# KiCad board motherboard.kicad_pcb (continued)
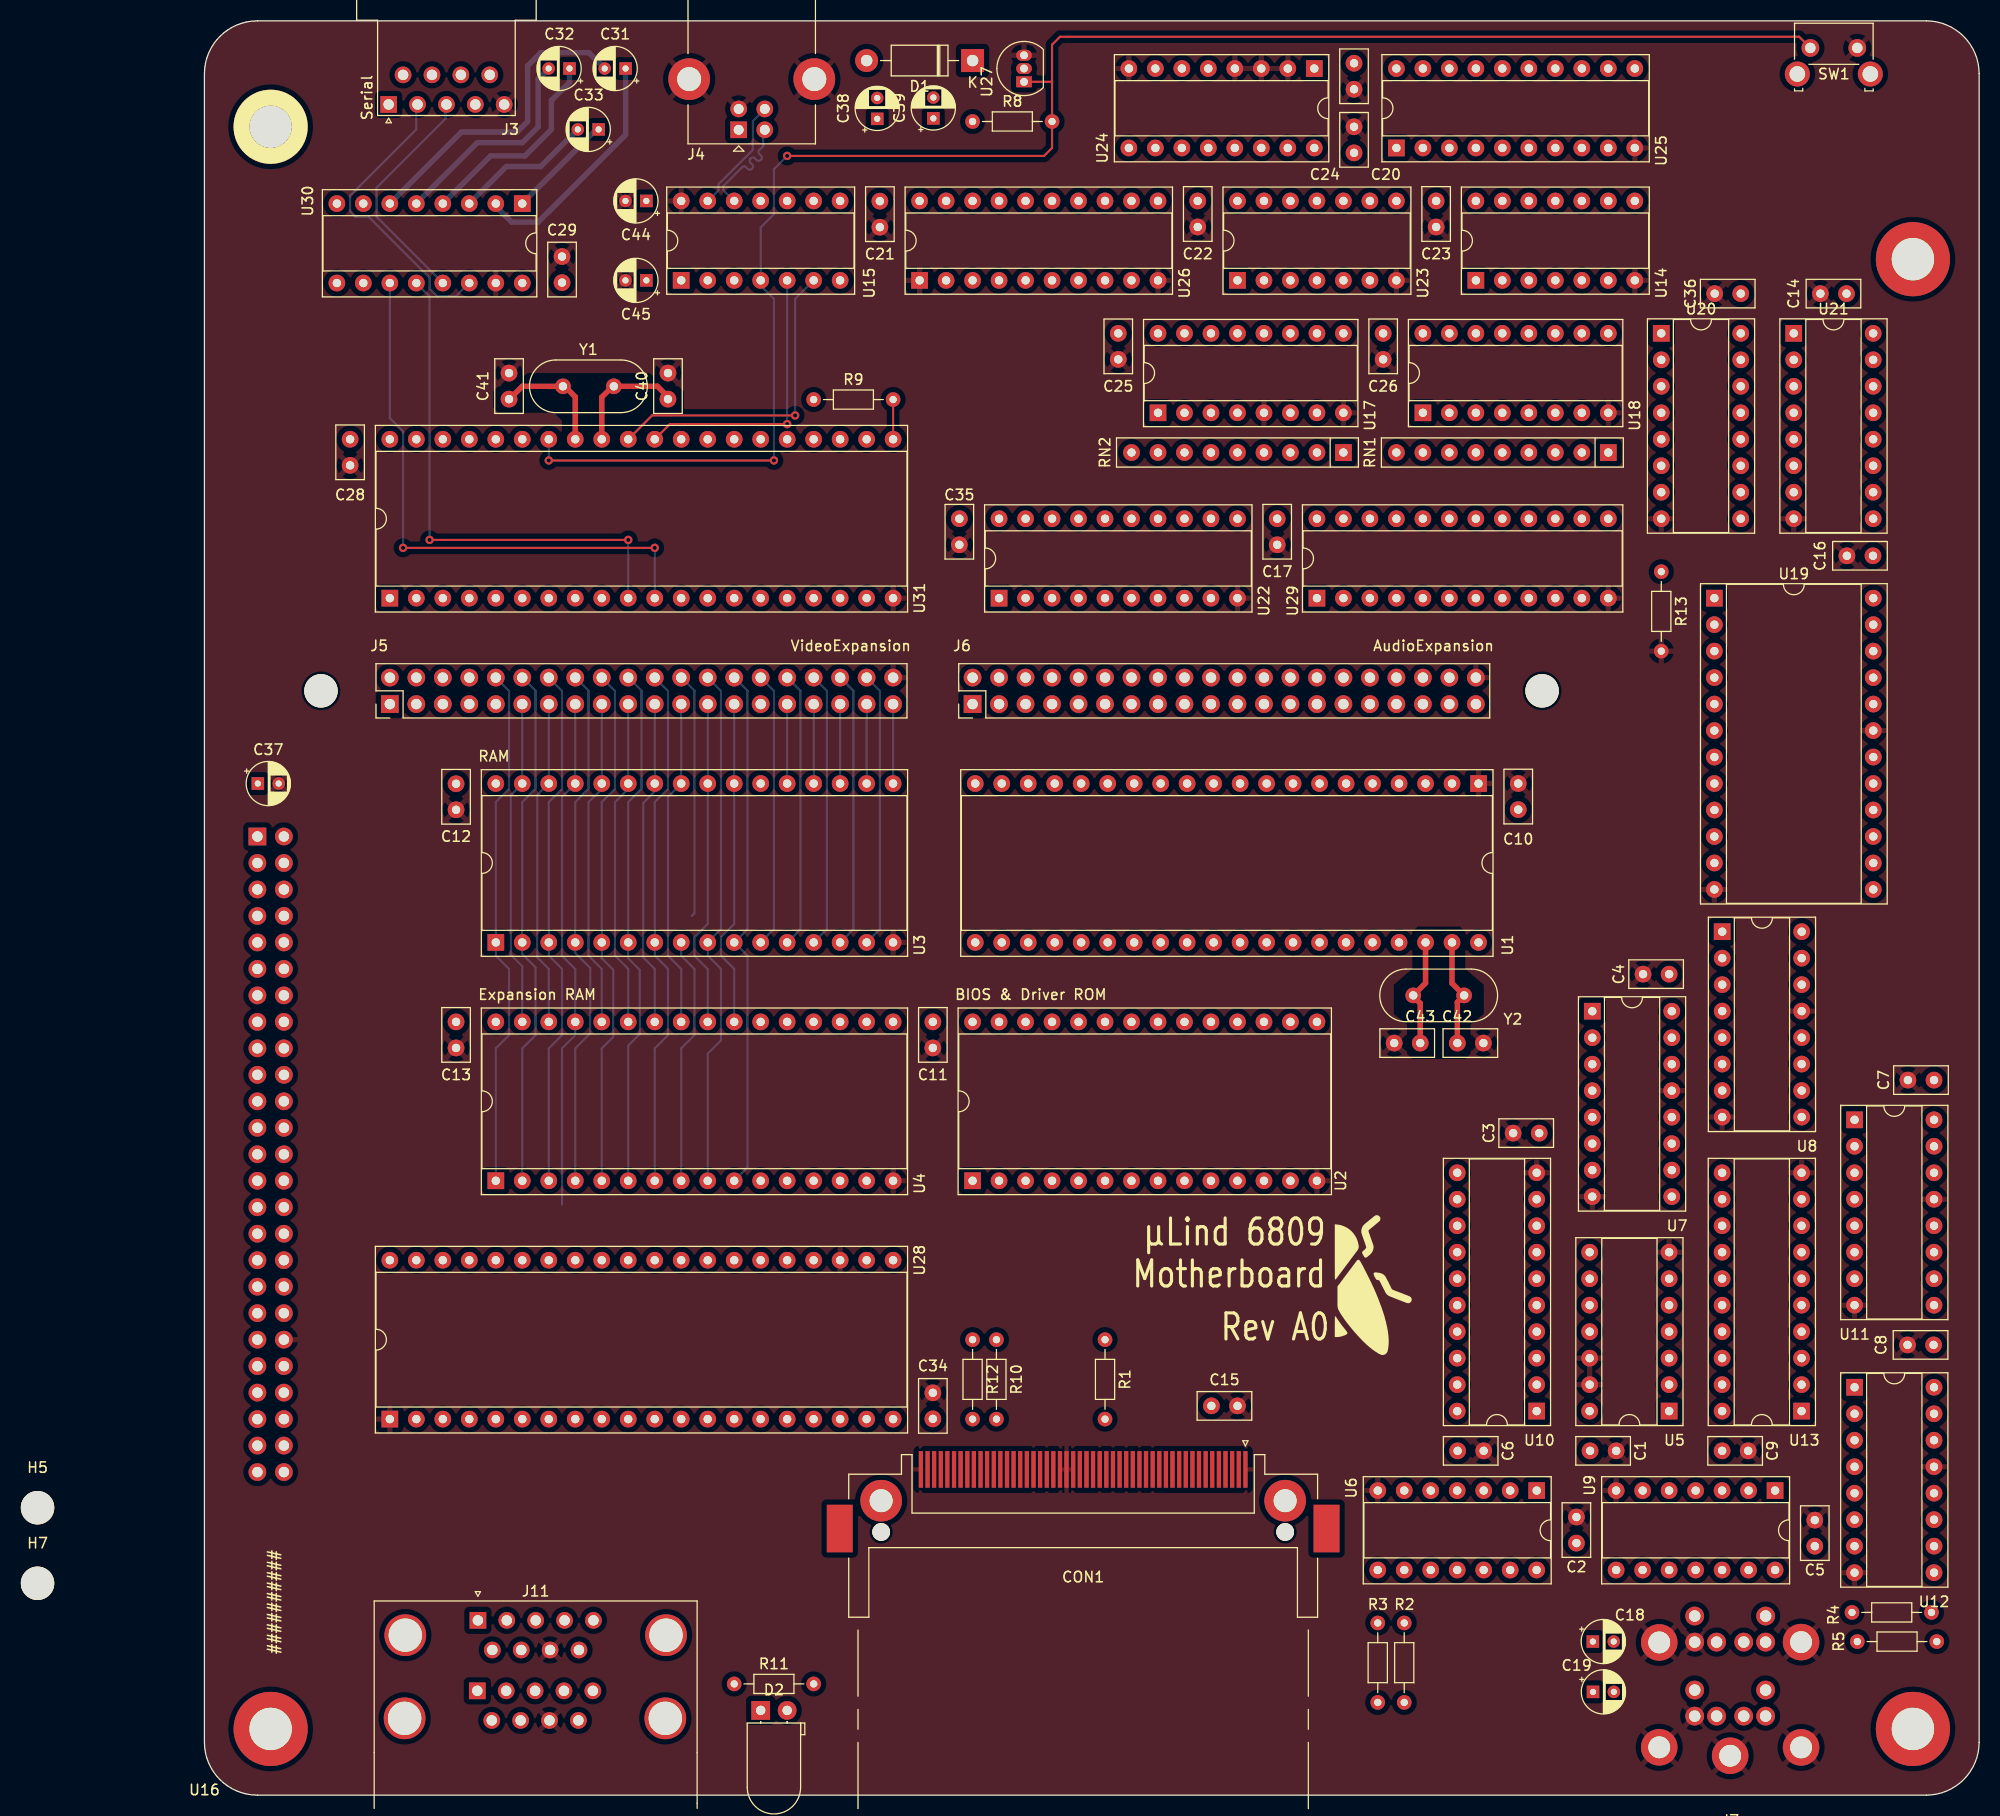
[diagram p0: board, top side]
## Footprints (pads in the part's own frame, mm; a bottom-side part is the same pattern mirrored in y, then rotated)
2xPS2-Mini-Din
  round 1.8 hole 1.1: 1(-1.3,15.6) 2(1.3,15.6) 3(-3.4,15.6) 4(3.4,15.6) 5(-3.4,18.1) 6(3.4,18.1) 7(-1.3,8.5) 8(1.3,8.5) 9(-3.4,8.5) 10(3.4,8.5) 11(-3.4,11) 12(3.4,11)
  round 3.5 hole 2.1: G(-6.8,15.57) G(-6.8,5.51) G(0,4.7) G(6.8,15.6) G(6.8,5.5)
C_Disc_D5.0mm_W2.5mm_P2.50mm
  round 1.6 hole 0.8: 1(0,0) 2(2.5,0)
CF-Card_3M_N7E50-7516PK-20-WF
  round 3.99 hole 2.21: (-0.1,19.37) (-0.1,-19.37)
  rect 4.57x2.49 smd: (2.57,23.34) (2.57,-23.34)
  round 1.7 hole 1.7 unplated: (2.9,19.37) (2.9,-19.37)
  rect 3.51x0.41 smd: 1(-3.1,15.56) 2(-3.1,14.29) 3(-3.1,13.02) 4(-3.1,11.75) 5(-3.1,10.48) 6(-3.1,9.21) 7(-3.1,7.94) 8(-3.1,6.67) 9(-3.1,5.4) 10(-3.1,4.13) 11(-3.1,2.86) 12(-3.1,1.59) 13(-3.1,0.32) 14(-3.1,-0.95) 15(-3.1,-2.22) 16(-3.1,-3.49) 17(-3.1,-4.76) 18(-3.1,-6.03) 19(-3.1,-7.3) 20(-3.1,-8.57) 21(-3.1,-9.84) 22(-3.1,-11.11) 23(-3.1,-12.38) 24(-3.1,-13.65) 25(-3.1,-14.92) 26(-3.1,14.92) 27(-3.1,13.65) 28(-3.1,12.38) 29(-3.1,11.11) 30(-3.1,9.84) 31(-3.1,8.57) 32(-3.1,7.3) 33(-3.1,6.03) 34(-3.1,4.76) 35(-3.1,3.49) 36(-3.1,2.22) 37(-3.1,0.95) 38(-3.1,-0.32) 39(-3.1,-1.59) 40(-3.1,-2.86) 41(-3.1,-4.13) 42(-3.1,-5.4) 43(-3.1,-6.67) 44(-3.1,-7.94) 45(-3.1,-9.21) 46(-3.1,-10.48) 47(-3.1,-11.75) 48(-3.1,-13.02) 49(-3.1,-14.29) 50(-3.1,-15.56)
CP_Radial_D4.0mm_P2.00mm
  rect 1.2x1.2 hole 0.6: 1(0,0)
  round 1.2 hole 0.6: 2(2,0)
Crystal_HC49-U_Vertical
  round 1.5 hole 0.8: 1(0,0) 2(4.88,0)
D_DO-41_SOD81_P10.16mm_Horizontal
  rect 2.2x2.2 hole 1.1: 1(0,0)
  oval 2.2x2.2 hole 1.1: 2(10.16,0)
DIP-14_W7.62mm_Socket
  rect 1.6x1.6 hole 0.8: 1(0,0)
  oval 1.6x1.6 hole 0.8: 2(0,-2.54) 3(0,-5.08) 4(0,-7.62) 5(0,-10.16) 6(0,-12.7) 7(0,-15.24) 8(7.62,-15.24) 9(7.62,-12.7) 10(7.62,-10.16) 11(7.62,-7.62) 12(7.62,-5.08) 13(7.62,-2.54) 14(7.62,0)
DIP-16_W7.62mm_Socket
  rect 1.6x1.6 hole 0.8: 1(0,0)
  oval 1.6x1.6 hole 0.8: 2(0,-2.54) 3(0,-5.08) 4(0,-7.62) 5(0,-10.16) 6(0,-12.7) 7(0,-15.24) 8(0,-17.78) 9(7.62,-17.78) 10(7.62,-15.24) 11(7.62,-12.7) 12(7.62,-10.16) 13(7.62,-7.62) 14(7.62,-5.08) 15(7.62,-2.54) 16(7.62,0)
DIP-20_W7.62mm_Socket
  rect 1.6x1.6 hole 0.8: 1(0,0)
  oval 1.6x1.6 hole 0.8: 2(0,-2.54) 3(0,-5.08) 4(0,-7.62) 5(0,-10.16) 6(0,-12.7) 7(0,-15.24) 8(0,-17.78) 9(0,-20.32) 10(0,-22.86) 11(7.62,-22.86) 12(7.62,-20.32) 13(7.62,-17.78) 14(7.62,-15.24) 15(7.62,-12.7) 16(7.62,-10.16) 17(7.62,-7.62) 18(7.62,-5.08) 19(7.62,-2.54) 20(7.62,0)
DIP-24_W7.62mm_Socket
  rect 1.6x1.6 hole 0.8: 1(0,0)
  oval 1.6x1.6 hole 0.8: 2(0,-2.54) 3(0,-5.08) 4(0,-7.62) 5(0,-10.16) 6(0,-12.7) 7(0,-15.24) 8(0,-17.78) 9(0,-20.32) 10(0,-22.86) 11(0,-25.4) 12(0,-27.94) 13(7.62,-27.94) 14(7.62,-25.4) 15(7.62,-22.86) 16(7.62,-20.32) 17(7.62,-17.78) 18(7.62,-15.24) 19(7.62,-12.7) 20(7.62,-10.16) 21(7.62,-7.62) 22(7.62,-5.08) 23(7.62,-2.54) 24(7.62,0)
DIP-24_W15.24mm_Socket
  rect 1.6x1.6 hole 0.8: 1(0,0)
  oval 1.6x1.6 hole 0.8: 2(0,-2.54) 3(0,-5.08) 4(0,-7.62) 5(0,-10.16) 6(0,-12.7) 7(0,-15.24) 8(0,-17.78) 9(0,-20.32) 10(0,-22.86) 11(0,-25.4) 12(0,-27.94) 13(15.24,-27.94) 14(15.24,-25.4) 15(15.24,-22.86) 16(15.24,-20.32) 17(15.24,-17.78) 18(15.24,-15.24) 19(15.24,-12.7) 20(15.24,-10.16) 21(15.24,-7.62) 22(15.24,-5.08) 23(15.24,-2.54) 24(15.24,0)
DIP-28_W15.24mm_Socket
  rect 1.6x1.6 hole 0.8: 1(0,0)
  oval 1.6x1.6 hole 0.8: 2(0,-2.54) 3(0,-5.08) 4(0,-7.62) 5(0,-10.16) 6(0,-12.7) 7(0,-15.24) 8(0,-17.78) 9(0,-20.32) 10(0,-22.86) 11(0,-25.4) 12(0,-27.94) 13(0,-30.48) 14(0,-33.02) 15(15.24,-33.02) 16(15.24,-30.48) 17(15.24,-27.94) 18(15.24,-25.4) 19(15.24,-22.86) 20(15.24,-20.32) 21(15.24,-17.78) 22(15.24,-15.24) 23(15.24,-12.7) 24(15.24,-10.16) 25(15.24,-7.62) 26(15.24,-5.08) 27(15.24,-2.54) 28(15.24,0)
DIP-32_W15.24mm_Socket
  rect 1.6x1.6 hole 0.8: 1(0,0)
  oval 1.6x1.6 hole 0.8: 2(0,-2.54) 3(0,-5.08) 4(0,-7.62) 5(0,-10.16) 6(0,-12.7) 7(0,-15.24) 8(0,-17.78) 9(0,-20.32) 10(0,-22.86) 11(0,-25.4) 12(0,-27.94) 13(0,-30.48) 14(0,-33.02) 15(0,-35.56) 16(0,-38.1) 17(15.24,-38.1) 18(15.24,-35.56) 19(15.24,-33.02) 20(15.24,-30.48) 21(15.24,-27.94) 22(15.24,-25.4) 23(15.24,-22.86) 24(15.24,-20.32) 25(15.24,-17.78) 26(15.24,-15.24) 27(15.24,-12.7) 28(15.24,-10.16) 29(15.24,-7.62) 30(15.24,-5.08) 31(15.24,-2.54) 32(15.24,0)
DIP-40_W15.24mm_Socket
  rect 1.6x1.6 hole 0.8: 1(0,0)
  oval 1.6x1.6 hole 0.8: 2(0,-2.54) 3(0,-5.08) 4(0,-7.62) 5(0,-10.16) 6(0,-12.7) 7(0,-15.24) 8(0,-17.78) 9(0,-20.32) 10(0,-22.86) 11(0,-25.4) 12(0,-27.94) 13(0,-30.48) 14(0,-33.02) 15(0,-35.56) 16(0,-38.1) 17(0,-40.64) 18(0,-43.18) 19(0,-45.72) 20(0,-48.26) 21(15.24,-48.26) 22(15.24,-45.72) 23(15.24,-43.18) 24(15.24,-40.64) 25(15.24,-38.1) 26(15.24,-35.56) 27(15.24,-33.02) 28(15.24,-30.48) 29(15.24,-27.94) 30(15.24,-25.4) 31(15.24,-22.86) 32(15.24,-20.32) 33(15.24,-17.78) 34(15.24,-15.24) 35(15.24,-12.7) 36(15.24,-10.16) 37(15.24,-7.62) 38(15.24,-5.08) 39(15.24,-2.54) 40(15.24,0)
DSUB-9-Double_NorComp
  round 4 hole 3.2: 0(-7.027,-9.398) 0(-6.96,-1.42) 0(17.973,-9.398) 0(18.04,-1.42)
  rect 1.6x1.6 hole 1: 1(0,0) 11(-0.056,-6.756)
  round 1.6 hole 1: 2(2.77,0) 3(5.54,0) 4(8.31,0) 5(11.08,0) 6(1.385,-2.84) 7(4.155,-2.84) 8(6.925,-2.84) 9(9.695,-2.84) 12(2.714,-6.756) 13(5.484,-6.756) 14(8.254,-6.756) 15(11.024,-6.756) 16(1.329,-9.596) 17(4.099,-9.596) 18(6.869,-9.596) 19(9.639,-9.596)
DSUB-9_Female_Horizontal_P2.77x2.84mm_EdgePinOffset9.40mm
  rect 1.6x1.6 hole 1: 1(0,0)
  round 1.6 hole 1: 2(-2.77,0) 3(-5.54,0) 4(-8.31,0) 5(-11.08,0) 6(-1.385,-2.84) 7(-4.155,-2.84) 8(-6.925,-2.84) 9(-9.695,-2.84)
LED_D5.0mm_Horizontal_O1.27mm_Z3.0mm_Clear
  rect 1.8x1.8 hole 0.9: 1(0,0)
  round 1.8 hole 0.9: 2(2.54,0)
mITX
  round 7.112 hole 4.064 unplated: (6.35,160.02) (6.35,6.35) (163.83,147.32) (163.83,6.35)
MountingHole_3.2mm_M3_ISO7380
  round 3.2 hole 3.2 unplated: (0,0)
PinHeader_2x20_P2.54mm_Vertical
  rect 1.7x1.7 hole 1: 1(0,0)
  oval 1.7x1.7 hole 1: 2(2.54,0) 3(0,-2.54) 4(2.54,-2.54) 5(0,-5.08) 6(2.54,-5.08) 7(0,-7.62) 8(2.54,-7.62) 9(0,-10.16) 10(2.54,-10.16) 11(0,-12.7) 12(2.54,-12.7) 13(0,-15.24) 14(2.54,-15.24) 15(0,-17.78) 16(2.54,-17.78) 17(0,-20.32) 18(2.54,-20.32) 19(0,-22.86) 20(2.54,-22.86) 21(0,-25.4) 22(2.54,-25.4) 23(0,-27.94) 24(2.54,-27.94) 25(0,-30.48) 26(2.54,-30.48) 27(0,-33.02) 28(2.54,-33.02) 29(0,-35.56) 30(2.54,-35.56) 31(0,-38.1) 32(2.54,-38.1) 33(0,-40.64) 34(2.54,-40.64) 35(0,-43.18) 36(2.54,-43.18) 37(0,-45.72) 38(2.54,-45.72) 39(0,-48.26) 40(2.54,-48.26)
PinSocket_2x25_P2.54mm_Vertical
  rect 1.7x1.7 hole 1: 1(0,0)
  oval 1.7x1.7 hole 1: 2(-2.54,0) 3(0,-2.54) 4(-2.54,-2.54) 5(0,-5.08) 6(-2.54,-5.08) 7(0,-7.62) 8(-2.54,-7.62) 9(0,-10.16) 10(-2.54,-10.16) 11(0,-12.7) 12(-2.54,-12.7) 13(0,-15.24) 14(-2.54,-15.24) 15(0,-17.78) 16(-2.54,-17.78) 17(0,-20.32) 18(-2.54,-20.32) 19(0,-22.86) 20(-2.54,-22.86) 21(0,-25.4) 22(-2.54,-25.4) 23(0,-27.94) 24(-2.54,-27.94) 25(0,-30.48) 26(-2.54,-30.48) 27(0,-33.02) 28(-2.54,-33.02) 29(0,-35.56) 30(-2.54,-35.56) 31(0,-38.1) 32(-2.54,-38.1) 33(0,-40.64) 34(-2.54,-40.64) 35(0,-43.18) 36(-2.54,-43.18) 37(0,-45.72) 38(-2.54,-45.72) 39(0,-48.26) 40(-2.54,-48.26) 41(0,-50.8) 42(-2.54,-50.8) 43(0,-53.34) 44(-2.54,-53.34) 45(0,-55.88) 46(-2.54,-55.88) 47(0,-58.42) 48(-2.54,-58.42) 49(0,-60.96) 50(-2.54,-60.96)
R_Array_SIP9
  rect 1.6x1.6 hole 0.8: 1(0,0)
  oval 1.6x1.6 hole 0.8: 2(2.54,0) 3(5.08,0) 4(7.62,0) 5(10.16,0) 6(12.7,0) 7(15.24,0) 8(17.78,0) 9(20.32,0)
R_Axial_DIN0204_L3.6mm_D1.6mm_P7.62mm_Horizontal
  round 1.4 hole 0.7: 1(0,0)
  oval 1.4x1.4 hole 0.7: 2(7.62,0)
SW_SPST_Omron_B3F-315x_Angled
  round 2.4 hole 1.5: (-1.25,-2.5) (5.75,-2.5)
  round 1.7 hole 1: 1(0,0) 2(4.5,0)
TO-92_Inline
  rect 1.05x1.5 hole 0.75: 1(0,0)
  oval 1.05x1.5 hole 0.75: 2(1.27,0) 3(2.54,0)
USB_B_Lumberg_2411_02_Horizontal
  rect 1.6x1.6 hole 0.95: 1(0,0)
  round 1.6 hole 0.95: 2(0,-2.5) 3(2,-2.5) 4(2,0)
  round 4 hole 2.3: 5(4.86,4.75) 5(4.86,-7.25)

## Nets
GND: C1.2 C2.2 C3.2 C4.2 C5.2 C6.2 C7.2 C8.2 C9.2 C10.2 C11.2 C12.2 C13.2 C14.2 C15.2 C16.2 C17.2 C20.2 C21.2 C22.2 C23.2 C24.2 C25.2 C26.2 C28.2 C29.2 C34.2 C35.2 C36.2 C37.2 C40.2 C41.2 C42.2 C43.2 C44.2 C45.2 CON1.1 CON1.8 CON1.9 CON1.10 CON1.11 CON1.12 CON1.14 CON1.15 CON1.16 CON1.17 CON1.39 CON1.50 J3.5 J4.4 J4.5 J5.40 J6.40 J7.3 J7.9 J7.G J8.40 J11.8 J11.18 R13.2 SW1.2 U1.1 U2.14 U3.16 U4.16 U5.7 U5.12 U5.13 U6.7 U7.8 U7.13 U8.8 U8.13 U9.7 U10.10 U11.8 U11.13 U12.8 U12.13 U13.10 U14.7 U15.14 U17.5 U17.8 U18.8 U19.12 U19.19 U20.8 U21.8 U22.10 U23.7 U24.2 U24.3 U24.4 U24.8 U25.10 U26.1 U26.10 U27.3 U28.1 U28.23 U29.12 U30.15 U31.20
VBUS: C38.1 C39.1 C45.1 D1.2 J4.1 U15.1
VCC: C1.1 C2.1 C3.1 C4.1 C5.1 C6.1 C7.1 C8.1 C9.1 C10.1 C11.1 C12.1 C13.1 C14.1 C15.1 C16.1 C17.1 C20.1 C21.1 C22.1 C23.1 C24.1 C25.1 C26.1 C28.1 C29.1 C34.1 C35.1 C36.1 C37.1 C38.2 C39.2 CON1.7 CON1.13 CON1.38 D1.1 D2.1 J5.1 J6.1 J7.4 J7.10 J8.1 J11.7 J11.17 R1.1 R2.1 R3.1 R4.1 R5.1 R8.1 R10.1 R12.1 RN1.1 RN2.1 U1.7 U1.40 U2.27 U2.28 U3.32 U4.32 U5.14 U6.5 U6.14 U7.16 U8.16 U9.14 U10.20 U11.16 U12.16 U13.20 U14.11 U14.12 U14.14 U17.16 U18.16 U19.24 U20.16 U21.16 U22.20 U23.14 U24.16 U25.20 U26.20 U27.2 U28.20 U29.24 U30.16 U31.40
/A0: CON1.20 J5.32 J6.32 J8.32 U1.8 U2.10 U3.12 U4.12 U20.14 U21.14 U28.38 U31.1
/A1: CON1.19 J5.30 J6.30 J8.30 U1.9 U2.9 U3.11 U4.11 U20.13 U21.13 U28.37 U31.3
/A2: CON1.18 J5.28 J6.28 J8.28 U1.10 U2.8 U3.10 U4.10 U28.36 U31.5
/A3: J5.26 J6.26 J8.26 U1.11 U2.7 U3.9 U4.9 U28.35 U31.6
/A4: J6.24 J8.24 U1.12 U2.6 U3.8 U4.8
/A5: J5.22 J6.22 J8.22 U1.13 U2.5 U3.7 U4.7 U5.4 U9.3
/A6: J5.20 J6.20 J8.20 U1.14 U2.4 U3.6 U4.6 U19.23
/A7: J5.18 J6.18 J8.18 U1.15 U2.3 U3.5 U4.5 U19.22
/A8: J5.19 J6.19 J8.19 U1.16 U2.25 U3.27 U4.27 U19.21
/A9: J5.21 J6.21 J8.21 U1.17 U2.24 U3.26 U4.26 U19.20
/A10: J5.27 J6.27 J8.27 U1.18 U2.21 U3.23 U4.23 U29.1
/A11: J5.23 J6.23 J8.23 U1.19 U2.23 U3.25 U4.25 U29.2
/A12: J5.16 J6.16 J8.16 U1.20 U2.2 U3.4 U4.4 U29.3
/A13: J5.17 J6.17 J8.17 U1.21 U3.28 U4.28 U29.4
/A14: J8.42 U1.22 U20.5 U21.5 U29.5
/A15: J8.44 U1.23 U20.4 U21.4 U29.6
/Address-Logic/BA: U1.6 U22.4
/Address-Logic/BS: U1.5 U22.5
/Address-Logic/Q: U1.35 U22.2
/Address-Logic/R/~{W}: U1.32 U22.3 U28.22 U31.8
/Address-Logic/~{CF_EN}: CON1.32 U19.10
/Address-Logic/~{EXP_EN}: U19.9
/Address-Logic/~{IO10_EN}: U19.11
/Address-Logic/~{IO11_EN}: U19.13
/Address-Logic/~{IO12_EN}: U19.14
/Address-Logic/~{IO13_EN}: U19.15
/Address-Logic/~{IO14_EN}: U19.16
/Address-Logic/~{IO15_EN}: U19.17
/Address-Logic/~{IO_EN}: U19.18 U29.19
/Address-Logic/~{IRQ_EN}: U14.3 U14.5 U19.1
/Address-Logic/~{MAP_EN}: R13.1 U29.14
/Address-Logic/~{MEM_EN}: U19.2 U29.10
/Address-Logic/~{MEM_RD}: U20.11 U21.11 U29.18
/Address-Logic/~{MEM_WR}: U20.12 U21.12 U29.17
/Address-Logic/~{PAR_EN}: U19.8 U28.24
/Address-Logic/~{PS2_EN}: U5.2 U19.6
/Address-Logic/~{RAMH_EN}: U4.22 U29.21
/Address-Logic/~{RAML_EN}: U3.22 U29.22
/Address-Logic/~{ROM_EN}: U2.20 U29.23
/Address-Logic/~{SER_EN}: U19.7 U31.35
/Address-Logic/~{SNDL_EN}: J6.29 U19.3
/Address-Logic/~{SNDR_EN}: J6.3 U19.4
/Address-Logic/~{VDC_EN}: J5.29 U19.5
/AM14: J5.14 J6.14 J8.14 U3.3 U4.3 U20.10
/AM15: J5.11 J6.11 J8.11 U3.31 U4.31 U20.9
/AM16: J5.12 J6.12 J8.12 U3.2 U4.2 U20.7
/AM17: J5.13 J6.13 J8.13 U3.30 U4.30 U20.6
/AM18: J5.10 J6.10 J8.10 U3.1 U4.1 U21.10
/AM19: J5.9 J6.9 J8.9 U21.9 U29.7
/AM20: J5.8 J6.8 J8.8 U21.7 U29.8
/AM21: J8.6 U21.6 U29.9
/CPU_MEM/MRDY: U1.36
/CPU_MEM/~{FIRQ}: U1.4
/CPU_MEM/~{IRQ}: U1.3 U24.7
/CPU_MEM/~{NMI}: U1.2
/D0: CON1.21 J5.34 J6.34 J8.34 U1.31 U2.11 U3.13 U4.13 U10.19 U13.19 U20.15 U25.19 U26.2 U28.33 U31.25
/D1: CON1.22 J5.36 J6.36 J8.36 U1.30 U2.12 U3.14 U4.14 U10.18 U13.18 U20.1 U25.18 U26.3 U28.32 U31.16
/D2: CON1.23 J5.38 J6.38 J8.38 U1.29 U2.13 U3.15 U4.15 U10.17 U13.17 U20.2 U25.17 U26.4 U28.31 U31.24
/D3: CON1.2 J5.39 J6.39 J8.39 U1.28 U2.15 U3.17 U4.17 U10.16 U13.16 U20.3 U25.16 U26.5 U28.30 U31.17
/D4: CON1.3 J5.37 J6.37 J8.37 U1.27 U2.16 U3.18 U4.18 U10.15 U13.15 U21.15 U25.15 U28.29 U31.23
/D5: CON1.4 J5.35 J6.35 J8.35 U1.26 U2.17 U3.19 U4.19 U10.14 U13.14 U21.1 U25.14 U28.28 U31.18
/D6: CON1.5 J5.33 J6.33 J8.33 U1.25 U2.18 U3.20 U4.20 U10.13 U13.13 U21.2 U25.13 U28.27 U31.22
/D7: CON1.6 J5.31 J6.31 J8.31 U1.24 U2.19 U3.21 U4.21 U10.12 U13.12 U21.3 U25.12 U28.26 U31.19
/Expansion Ports/A4 : J5.24
/Expansion Ports/BAVAIL: J5.7 J8.7 U22.17
/Expansion Ports/E: J5.5 J6.5 J8.5 U1.34 U7.12 U8.12 U11.12 U12.12 U22.1 U28.25
/Expansion Ports/~{BREQ}: J5.3 J8.3 U1.33 U22.11
/Expansion Ports/~{MAP_EN}: J8.41
/Expansion Ports/~{RAMX_EN}: J8.29 U29.20
/Expansion Ports/~{RD}: CON1.34 J5.25 J6.25 J8.25 U2.22 U3.24 U4.24 U5.1 U14.2 U22.18
/Expansion Ports/~{RST}: CON1.41 J5.2 J6.2 J8.2 R8.2 SW1.1 U1.37 U7.10 U8.10 U11.10 U12.10 U15.4 U27.1 U28.34 U31.34
/Expansion Ports/~{WR}: CON1.35 J5.15 J6.15 J8.15 U3.29 U4.29 U14.6 U22.19 U29.11
/PS-2/PS2_KB_CLK: J7.11 R4.2 U9.9
/PS-2/PS2_KB_DATA: J7.7 R5.2 U9.13
/PS-2/PS2_M_CLK: J7.5 R2.2 U6.13
/PS-2/PS2_M_DATA: J7.1 R3.2 U6.1
/Serial-Parallel/D+: J4.3 U15.13
/Serial-Parallel/D-: J4.2 U15.12
/~{IRQ_0}: R9.2 RN2.9 U17.4 U31.21
/~{IRQ_1}: RN2.8 U9.2 U17.3
/~{IRQ_2}: J5.4 RN2.7 U6.8 U17.2
/~{IRQ_3}: RN2.6 U17.1
/~{IRQ_4}: RN2.5 U17.13 U28.21
/~{IRQ_5}: RN2.4 U17.12
/~{IRQ_6}: RN2.3 U17.11
/~{IRQ_7}: J6.4 RN2.2 U17.10
/~{IRQ_8}: J8.4 RN1.9 U18.4
/~{IRQ_9}: RN1.8 U18.3
/~{IRQ_10}: RN1.7 U18.2
/~{IRQ_11}: RN1.6 U18.1
/~{IRQ_12}: RN1.5 U18.13
/~{IRQ_13}: RN1.4 U18.12
/~{IRQ_14}: RN1.3 U18.11
~{RD}': U22.9 U22.12
Net-(CON1A-/DASP): CON1.45 R11.2
Net-(CON1A-/PDIAG): CON1.46 R12.2
Net-(CON1A-/REG): CON1.44 R10.2
Net-(CON1A-/WE): CON1.36 R1.2
Net-(D2-A): D2.2 R11.1
Net-(U1-EXTAL): C43.1 U1.38 Y2.1
Net-(U1-XTAL): C42.1 U1.39 Y2.2
Net-(U5-Pad3): U5.3 U5.5 U5.9
Net-(U5-Pad10): U5.10 U9.4
Net-(U6-Pad2): U6.2 U6.3
Net-(U6-Pad11): U6.11 U6.12
Net-(U7-QH'): U7.9 U8.14
Net-(U7-SER): U6.4 U7.14
Net-(U7-SRCLK): U6.10 U7.11 U8.11
Net-(U9-Pad5): U9.5 U9.8
Net-(U9-Pad11): U9.11 U9.12
Net-(U10-D0): U8.1 U10.2
Net-(U10-D1): U8.15 U10.3
Net-(U10-D2): U7.7 U10.4
Net-(U10-D3): U7.6 U10.5
Net-(U10-D4): U7.5 U10.6
Net-(U10-D5): U7.4 U10.7
Net-(U10-D6): U7.3 U10.8
Net-(U10-D7): U7.2 U10.9
Net-(U10-Load): U6.9 U8.2 U10.11
Net-(U10-OE): U5.8 U10.1
Net-(U11-QC): U11.2 U13.9
Net-(U11-QD): U11.3 U13.8
Net-(U11-QE): U11.4 U13.7
Net-(U11-QF): U11.5 U13.6
Net-(U11-QG): U11.6 U13.5
Net-(U11-QH'): U11.9 U12.14
Net-(U11-QH): U11.7 U13.4
Net-(U11-SER): U9.10 U11.14
Net-(U11-SRCLK): U9.6 U11.11 U12.11
Net-(U12-QA): U12.15 U13.3
Net-(U12-QB): U12.1 U13.2
Net-(U12-QC): U9.1 U12.2 U13.11
Net-(U13-OE): U5.6 U13.1
Net-(U15-URx): U15.5 U31.30
Net-(U15-UTx): U15.6 U31.31
Net-(U15-VUSB): C44.1 U15.11
Net-(U17-EO): U17.15 U18.5
Net-(U17-GS): U17.14 U23.1 U23.2
Net-(U17-S0): U17.9 U23.13
Net-(U17-S1): U17.7 U23.10
Net-(U17-S2): U17.6 U23.5
Net-(U18-S0): U18.9 U23.12
Net-(U18-S1): U18.7 U23.9
Net-(U18-S2): U18.6 U23.4
Net-(U24-A0): U24.10 U25.6 U26.19
Net-(U24-A1): U24.12 U25.7 U26.18
Net-(U24-A2): U24.13 U25.8 U26.17
Net-(U24-A3): U24.15 U25.9 U26.16
Net-(U24-B0): U23.6 U24.9 U25.2
Net-(U24-B1): U23.8 U24.11 U25.3
Net-(U24-B2): U23.11 U24.14 U25.4
Net-(U24-B3): U23.3 U24.1 U25.5
Net-(U25-Cp): U14.10 U25.11
Net-(U25-OE): U14.1 U14.8 U14.9 U25.1
Net-(U26-Cp): U14.4 U26.11
Net-(U28-PA0): J11.1 U28.2
Net-(U28-PA1): J11.2 U28.3
Net-(U28-PA2): J11.3 U28.4
Net-(U28-PA3): J11.4 U28.5
Net-(U28-PA4): J11.6 U28.6
Net-(U28-PB0): J11.11 U28.10
Net-(U28-PB1): J11.12 U28.11
Net-(U28-PB2): J11.13 U28.12
Net-(U28-PB3): J11.14 U28.13
Net-(U28-PB4): J11.16 U28.14
Net-(U30-C1+): C33.1 U30.1
Net-(U30-C1-): C33.2 U30.3
Net-(U30-C2+): C32.1 U30.4
Net-(U30-C2-): C32.2 U30.5
Net-(U30-R1IN): J3.3 U30.13
Net-(U30-R1OUT): U30.12 U31.10
Net-(U30-T1IN): U30.11 U31.11
Net-(U30-T1OUT): J3.2 U30.14
Net-(U30-VS+): C31.1 U30.2
Net-(U30-VS-): C31.2 U30.6
Net-(U31-IACKN): R9.1 U31.37
Net-(U31-X1/CLK): C40.1 U31.32 Y1.2
Net-(U31-X2): C41.1 U31.33 Y1.1

Pads without a net: C18 1 2; C19 1 2; CON1 24 25 26 27 28 29 30 31 33 37 40 42 43 47 48 49; J3 1 4 6 7 8 9; J5 6; J6 6 7; J7 2 6 8 12; J8 43 45 46 47 48 49 50; J11 0 5 9 15 19; RN1 2; U2 1 26; U5 11; U6 6; U7 1 15; U8 3 4 5 6 7 9; U11 1 15; U12 3 4 5 6 7 9; U14 13; U15 2 3 7 8 9 10; U18 10 14 15; U22 6 7 8 13 14 15 16; U24 5 6; U26 6 7 8 9 12 13 14 15; U28 7 8 9 15 16 17 18 19 39 40; U29 13 15 16; U30 7 8 9 10; U31 2 4 7 9 12 13 14 15 26 27 28 29 36 38 39

## Via types
v1: diameter 0.8, hole 0.4, Top to Bottom, 9 vias

## Routing (per net, layer and track width the routed paths; a pad name or vN(x,y) marks a point on that pad's centre or on a via; arc(x,y) is an arc through that point)
VBUS: length 62.7
  In1.Cu w0.521: U15.1 C45.1 42.37,145.33 38.35,149.35 38.35,155.45 40.46,157.56 51.23,157.56
  In1.Cu w1.25: C39.1 69.85,160.78 C38.1 ; C38.1 63.75,160.78 62.48,162.05 62.48,165.35 D1.2 ; C38.1 64.52,156.46 63.5,155.45 53.34,155.45 51.23,157.56 J4.1 ; 45.68,145.33 U15.1
VCC: length 808.3
  In1.Cu w0.305: D1.1 75.69,166.37 76.45,165.61 U27.2
  In1.Cu w1.25: C25.1 U17.16 93.47,142.24 93.47,151.13 C22.1 U23.14 99.06,155.45 ; U22.20 C35.1 ; C35.1 70.61,120.65 70.61,106.43 72.39,104.65 J6.1 ; C35.1 72.39,135.13 66.04,141.48 ; C16.1 160,117.84 159.25,117.09 ; U18.16 C26.1 ; U18.16 116.84,147.83 116.08,148.59 116.08,151.13 117.86,152.91 C23.1 ; U18.16 116.84,136.4 RN2.1 109.22,126.75 ; 158.76,117.09 159.01,117.1 157.99,117.1 ; 158.76,117.09 159.25,117.09 ; 158.76,117.09 149.87,117.09 149.87,102.35 ; 13.97,138.18 17.27,141.48 30.48,141.48 ; 13.97,138.18 C28.1 U31.40 ; 13.97,138.18 8.13,138.18 8.13,111.25 12.19,111.25 15.24,108.2 15.24,104.65 ; 15.24,55.12 15.24,20.83 ; 15.24,55.12 69.6,55.12 ; 15.24,55.12 15.24,74.17 ; 15.24,20.83 15.24,4.57 17.02,2.79 25.65,2.79 ; 15.24,20.83 17.78,20.83 ; 109.22,126.75 106.68,124.21 U29.24 C17.1 ; 109.22,126.75 109.47,126.49 132.84,126.49 134.62,128.27 RN1.1 ; 30.48,141.48 66.04,141.48 ; 30.48,141.48 U30.16 30.52,145.07 C29.1 ; 159.25,117.09 160.02,116.32 160.02,115.07 ; 99.06,155.45 106.43,155.45 ; 99.06,155.45 73.66,155.45 ; 106.43,155.45 U24.16 106.89,157.52 108.46,157.52 ; 106.43,155.45 118.11,155.45 ; 15.24,97.03 15.26,97.01 C12.1 27.92,97.01 U3.32 ; 15.24,97.03 15.24,104.65 ; 15.24,97.03 15.24,74.17 ; 149.86,144.02 149.86,142.24 ; 149.86,144.02 C36.1 U20.16 ; 149.86,144.02 149.86,152.4 146.81,155.45 129.54,155.45 ; 149.86,142.24 157.99,142.24 ; 149.86,142.24 149.86,111.76 ; U4.32 C13.1 15.24,74.17 ; 157.99,142.24 157.46,142.77 C14.1 ; 157.99,142.24 U21.16 ; 72.63,162.83 72.64,162.81 73.66,163.83 D1.1 ; 72.63,162.83 73.66,161.8 R8.1 73.66,155.45 ; 72.63,162.83 C39.2 69.85,162.78 C38.2 ; U14.12 127,155.45 ; 127,155.45 118.11,155.45 ; 127,155.45 129.54,155.45 ; C23.1 118.11,155.45 ; C23.1 U14.14 ; 108.46,157.52 108.46,164.34 C20.1 113.79,166.12 U25.20 ; 108.46,157.52 C24.1 ; 66.04,141.48 66.04,147.07 68.58,149.61 U26.20 ; 69.6,55.12 69.6,44.45 66.04,40.89 U28.20 69.83,36.07 C34.1 ; 69.6,55.12 69.6,64.77 73.66,68.83 U2.28 C11.1 ; 15.24,104.65 J5.1 ; 149.88,102.37 149.87,102.35 ; 149.87,102.35 149.87,91.7 147.57,89.41 137.41,89.41 132.29,94.53 C10.1 109.43,94.53 U1.7 ; C21.1 64.79,152.91 U26.20 ; 73.66,155.45 69.6,155.45 68.58,154.43 U26.20 ; 129.54,155.45 U14.11
/A0: length 26.5
  Bottom w0.203: J5.32 57.15,105.92 57.15,83.06 U3.12
/A1: length 26.5
  Bottom w0.203: U3.11 54.61,83.06 54.61,105.92 J5.30
/A2: length 50.4
  Bottom w0.203: J5.28 52.07,105.92 52.07,83.06 U3.10 52.07,80.52 52.07,60.2 U4.10
/A3: length 50.4
  Bottom w0.203: U4.9 48.26,71.12 49.53,72.39 49.53,79.25 48.26,80.52 U3.9 49.53,83.06 49.53,105.92 J5.26
/A4: length 23.9
  Bottom w0.203: U3.8 45.72,80.52 46.99,79.25 46.99,72.9 45.72,71.63 U4.8
/A5: length 50.4
  Bottom w0.203: J5.22 44.45,105.92 44.45,96.52 43.18,95.25 U3.7 43.18,80.52 44.45,79.25 44.45,72.9 43.18,71.63 U4.7
/A6: length 50.2
  Bottom w0.203: J5.20 41.91,105.92 41.91,96.52 40.64,95.25 U3.6 40.64,80.26 41.74,79.16 41.74,72.98 40.64,71.88 U4.6
/A7: length 50.2
  Bottom w0.203: U4.5 38.1,71.63 39.2,72.73 39.2,79.16 38.1,80.26 U3.5 38.1,95.25 39.37,96.52 39.37,105.92 J5.18
/A8: length 31.5
  Bottom w0.203: U4.27 40.64,79.25 39.37,80.52 39.37,95.25 40.64,96.52 U3.27 J5.19
/A9: length 31.4
  Bottom w0.203: J5.21 U3.26 43.18,96.27 42.08,95.16 42.08,80.35 43.18,79.25 U4.26
/A10: length 31.5
  Bottom w0.203: U4.23 50.8,79.25 49.53,80.52 49.53,82.3 50.8,83.57 U3.23 J5.27
/A11: length 31.5
  Bottom w0.203: U4.25 45.72,79.25 44.45,80.52 44.45,95.76 U3.25 J5.23
/A12: length 50.5
  Bottom w0.203: J5.16 36.83,105.92 36.83,96.52 35.56,95.25 U3.4 35.56,80.77 37,79.33 37,73.07 35.56,71.63 U4.4
/A13: length 31.5
  Bottom w0.203: U4.28 38.1,79.25 36.83,80.52 36.83,95.25 38.1,96.52 U3.28 J5.17
/AM14: length 50.4
  Bottom w0.203: U4.3 33.02,71.63 34.29,72.9 34.29,79.25 33.02,80.52 U3.3 33.02,95.25 34.29,96.52 34.29,105.92 J5.14
/AM15: length 31.4
  Bottom w0.203: U4.31 30.48,79.5 29.38,80.6 29.38,95.93 U3.31 J5.11
/AM16: length 50.4
  Bottom w0.203: U4.2 30.48,71.63 31.75,72.9 31.75,79.39 30.48,80.66 U3.2 30.48,95.25 31.75,96.52 31.75,105.92 J5.12
/AM17: length 31.4
  Bottom w0.203: J5.13 U3.30 31.92,95.93 31.92,80.35 33.02,79.25 U4.30
/AM18: length 50.4
  Bottom w0.203: U4.1 27.94,71.63 29.21,72.9 29.21,79.25 27.94,80.52 U3.1 27.94,95.25 29.21,96.52 29.21,105.92 J5.10
/D0: length 26.5
  Bottom w0.203: U3.13 59.69,83.06 59.69,105.92 J5.34
/D1: length 26.5
  Bottom w0.203: J5.36 62.23,105.92 62.23,83.06 U3.14
/D2: length 26.5
  Bottom w0.203: J5.38 64.77,105.92 64.77,83.06 U3.15
/D3: length 7.6
  Bottom w0.203: J5.39 U3.17
/D4: length 7.6
  Bottom w0.203: J5.37 U3.18
/D5: length 7.6
  Bottom w0.203: J5.35 U3.19
/D6: length 7.6
  Bottom w0.203: J5.33 U3.20
/D7: length 7.6
  Bottom w0.203: J5.31 U3.21
/Expansion Ports/A4 : length 23.5
  Bottom w0.203: J5.24 46.99,105.92 46.99,84.58 46.74,84.33
/Expansion Ports/~{RD}: length 31.5
  Bottom w0.203: J5.25 U3.24 48.26,83.57 46.99,82.3 46.99,80.5 48.26,79.23 U4.24
/Expansion Ports/~{RST}: length 166.2
  Top w0.203: 81.28,164.34 U27.1 ; 81.28,164.34 R8.2 81.28,157.99 80.52,157.23 v1(55.88,157.23) ; 81.28,164.34 81.28,167.89 82.04,168.66 152.92,168.66 SW1.1 ; v1(33.02,128.02) v1(54.61,128.02)
  Bottom w0.203: v1(55.88,157.23) 54.61,155.96 54.61,151.64 53.34,150.37 U15.4 53.34,144.78 54.61,143.51 v1(54.61,128.02) ; U31.34 v1(33.02,128.02)
/Expansion Ports/~{WR}: length 49.6
  Bottom w0.203: 34.29,56.64 34.29,71.63 35.56,72.9 U4.29 35.56,79.23 34.29,80.5 34.29,95.76 U3.29 J5.15
/Serial-Parallel/D+: length 11.1
  Bottom w0.2: J4.3 52.58,160.58 52.58,157.8 49.3,154.53 49.3,153.95 U15.13
/Serial-Parallel/D-: length 11.1
  Bottom w0.2: J4.2 53.59,159.59 53.59,158.18 53.19,157.77 arc(53.12,157.6) 53.19,157.43 53.39,157.23 arc(53.46,157.06) 53.39,156.89 53.31,156.81 arc(53.14,156.74) 52.97,156.81 52.77,157.01 arc(52.6,157.08) 52.43,157.01 52.34,156.93 arc(52.27,156.76) 52.34,156.59 52.54,156.39 arc(52.61,156.22) 52.54,156.05 52.46,155.96 arc(52.29,155.89) 52.12,155.96 51.92,156.16 arc(51.75,156.23) 51.58,156.16 49.76,154.34 49.76,153.95 U15.12
/~{IRQ_0}: length 3.8
  Top w0.203: R9.2 U31.21
Net-(U1-EXTAL): length 10.4
  Top w0.521: U1.38 117.09,77.89 Y2.1 115.91,76.62 116.59,75.95 C43.1
Net-(U1-XTAL): length 10.4
  Top w0.521: C42.1 120.14,76.06 Y2.2 119.63,77.87 U1.39
Net-(U15-URx): length 27.1
  Top w0.203: v1(55.88,131.5) 44.63,131.5 U31.30
  Bottom w0.203: U15.5 v1(55.88,131.5)
Net-(U15-UTx): length 30.6
  Top w0.203: v1(56.64,132.33) 42.93,132.33 U31.31
  Bottom w0.203: U15.6 56.64,143.51 v1(56.64,132.33)
Net-(U15-VUSB): length 13.1
  In1.Cu w0.521: U15.11 53.34,152.15 52.07,150.88 44.45,150.88 42.42,152.91 C44.1
Net-(U30-C1+): length 10.3
  Bottom w0.521: U30.1 37.59,159.77 C33.1
Net-(U30-C1-): length 13.3
  Bottom w0.521: C33.2 32.25,156.21 28.96,156.21 U30.3
Net-(U30-C2+): length 19.9
  Bottom w0.521: U30.4 27.43,157.23 30.73,157.23 33.27,159.77 33.27,162.56 35.01,164.29 C32.1
Net-(U30-C2-): length 20.7
  Bottom w0.521: U30.5 26.16,158.5 30.48,158.5 32,160.02 32,164.6 C32.2
Net-(U30-R1IN): length 22.5
  Bottom w0.203: 23.2,162.16 23.11,162.07 23.11,160.78 16.51,154.18 16.51,151.38 U30.13
Net-(U30-R1OUT): length 49.8
  Top w0.203: v1(40.64,120.4) v1(21.59,120.4)
  Bottom w0.203: U30.12 21.59,143.76 v1(21.59,120.4) ; v1(40.64,120.4) U31.10
Net-(U30-T1IN): length 54.9
  Top w0.203: v1(19.05,119.63) v1(43.18,119.63)
  Bottom w0.203: v1(19.05,119.63) 19.05,130.81 17.78,132.08 U30.11 ; v1(43.18,119.63) U31.11
Net-(U30-T1OUT): length 28.9
  Bottom w0.203: U30.14 24.13,143.76 22.35,143.76 21.59,144.53 21.59,145.54 15.75,151.38 14.48,151.38 13.97,151.89 13.97,153.42 20.32,159.77 20.32,162.05 20.44,162.16
Net-(U30-VS+): length 23.2
  Bottom w0.521: U30.2 27.94,152.4 29.46,150.88 32,150.88 40.39,159.26 C31.1
Net-(U30-VS-): length 30.4
  Bottom w0.521: U30.6 24.64,159.51 29.97,159.51 30.99,160.53 30.99,165.86 32.26,167.13 36.86,167.13 C31.2
Net-(U31-X1/CLK): length 11.6
  Top w0.521: 44.7,133.86 43.43,135.13 39.42,135.13 ; U31.32 38.1,134.09 39.14,135.13
  Bottom w0.521: 39.42,135.13 39.14,135.13
Net-(U31-X2): length 11.4
  Top w0.521: 29.21,133.86 30.48,135.13 34.54,135.13 35.56,134.11 U31.33

## Copper pours and planes (outline as drawn; the poured copper is in the pictures)
GND on Top, Bottom, In1.Cu, In2.Cu: -0.25,171.96 -0.76,-1.27 173.23,-3.3 174.5,172.47

## Text on the board
F.Silkscreen: RAM | Expansion RAM | BIOS & Driver ROM | ########## | Rev A0 | µLind 6809 / Motherboard
